# Altium PCB BA-77GHz-Radar_Frontend.PcbDoc (part 1 of 4) (continued)
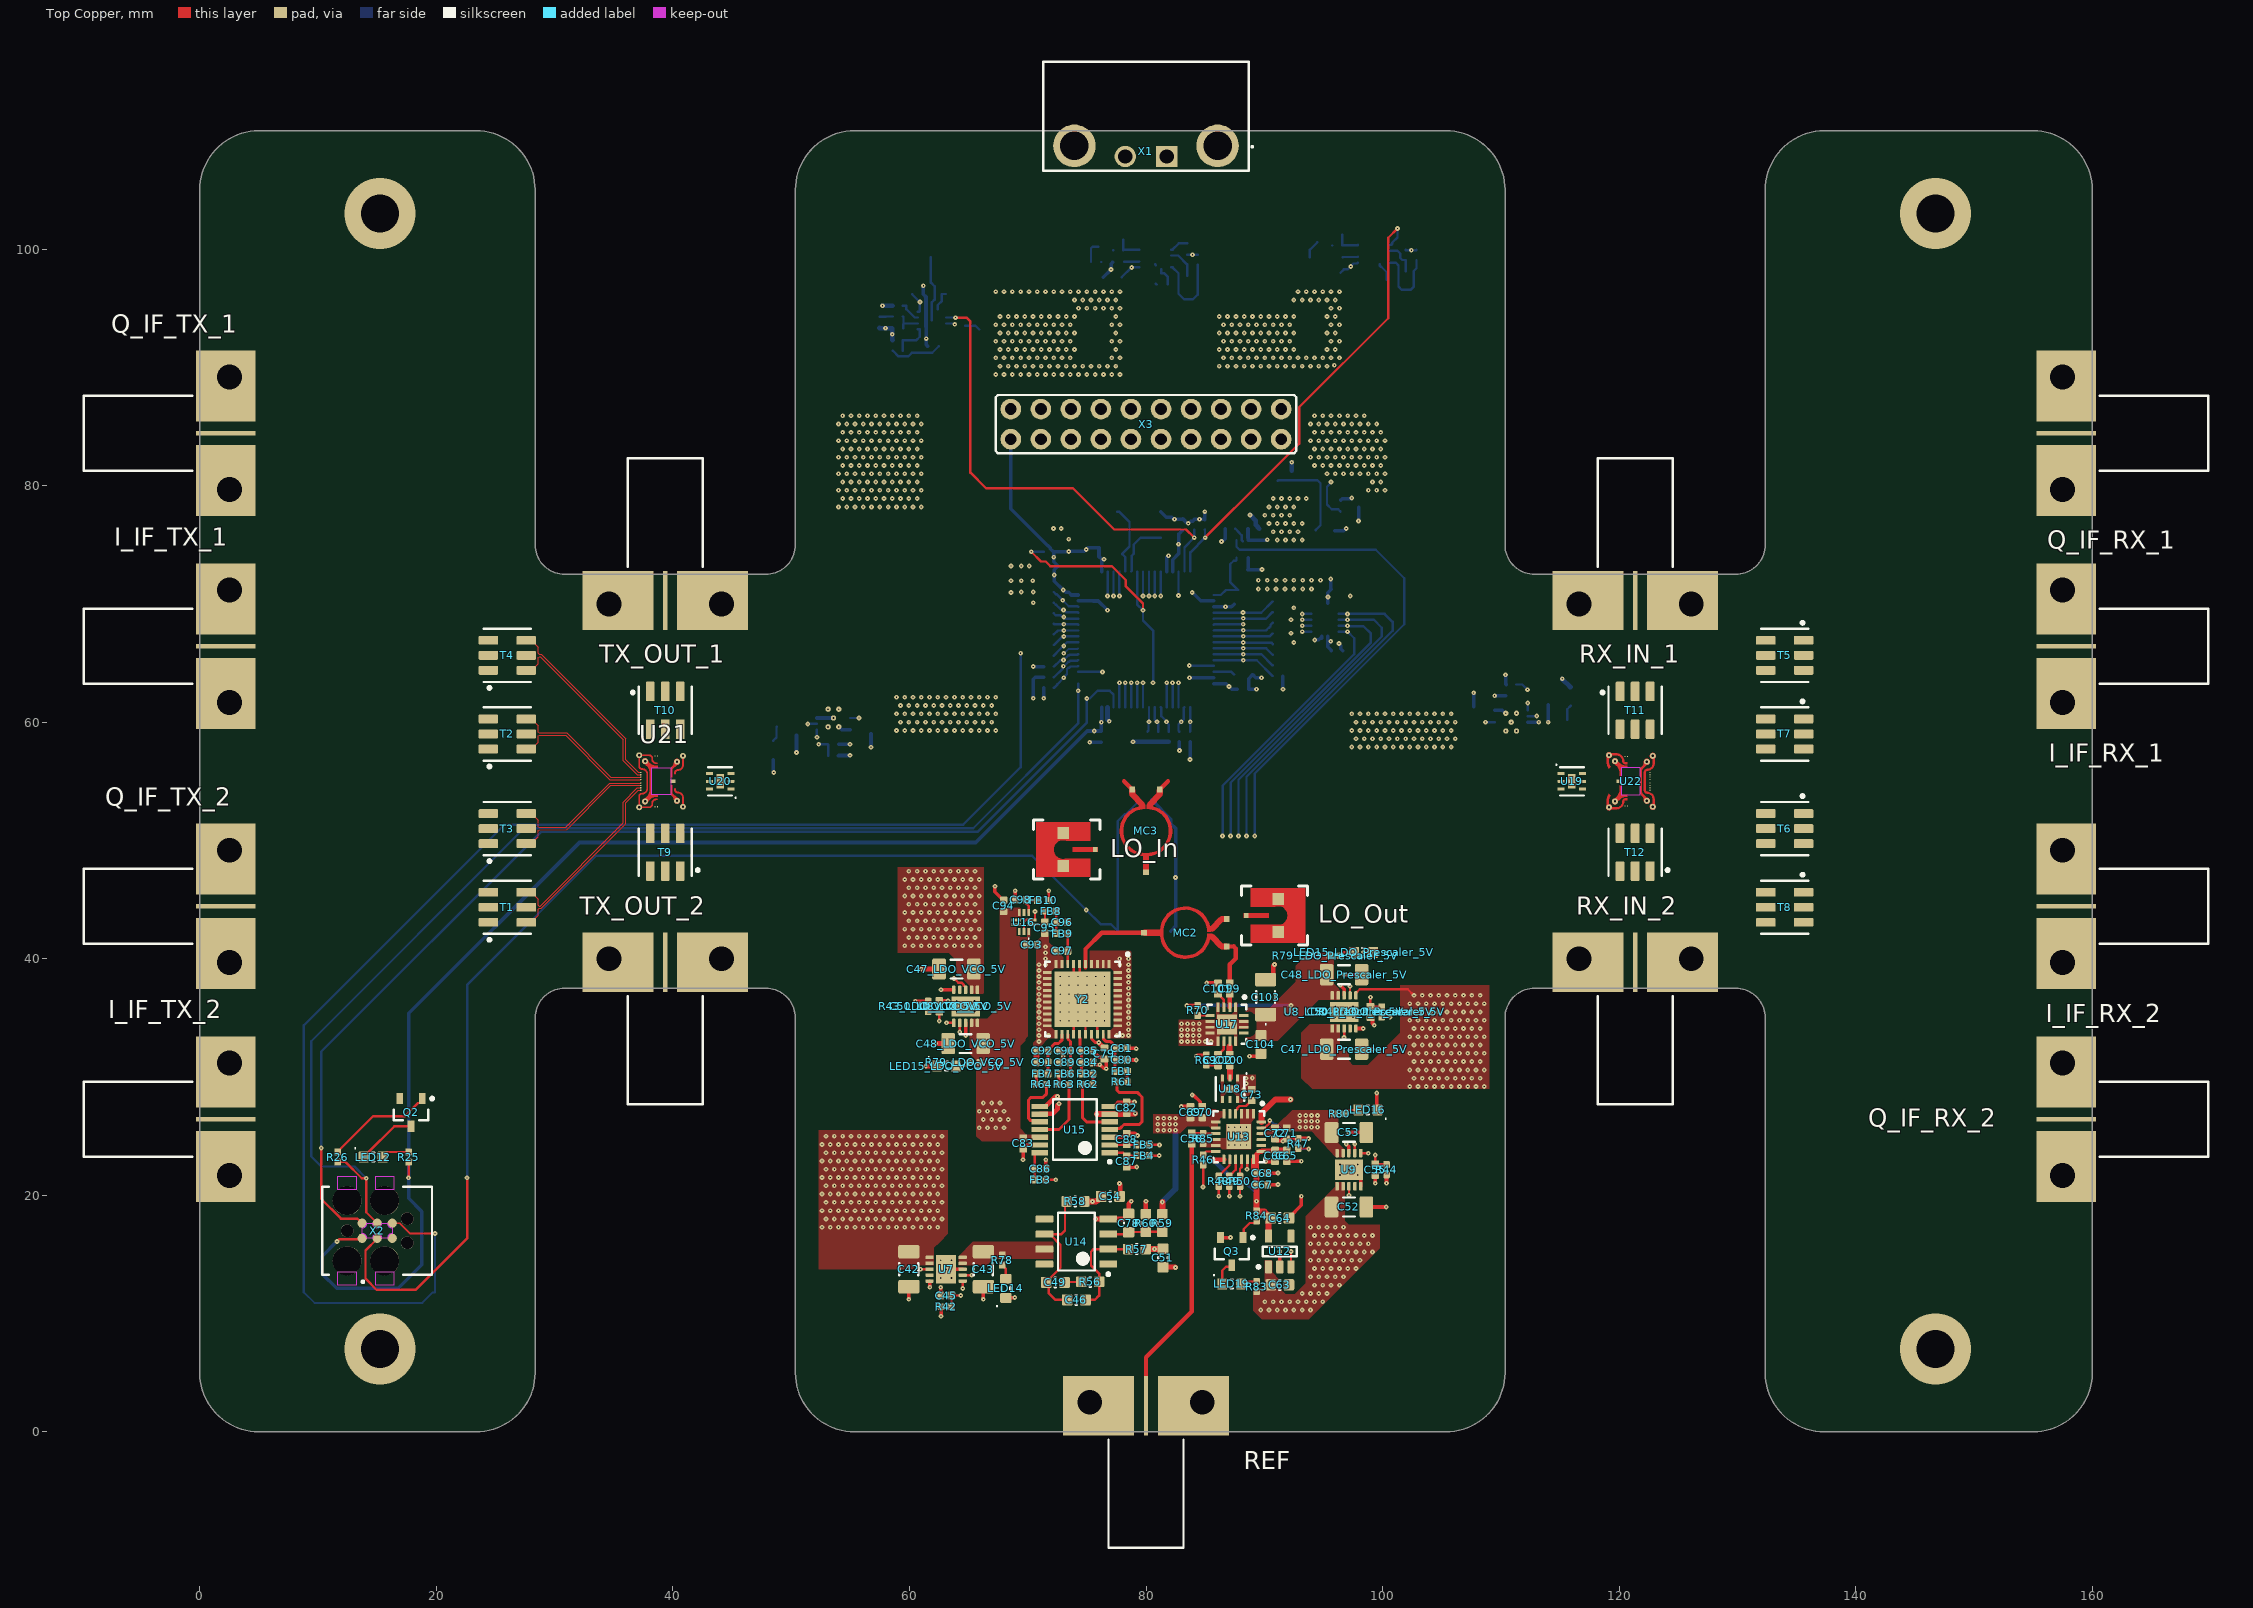
[diagram p0: Top Copper view]
## Components (designator, comment, footprint, x,y, rotation, side; value= is the part's Value field where it differs from the comment) (continued)
C60_LDO_TX_3V3 "470n" C_0402_1005Metric_IPC_N 53.575,58.125 r180 bottom (schematic designator C60)
C61 "1u" C_0603_1608Metric_IPC_N 97.975,78.95 r90 bottom
C62 "1u" C_0603_1608Metric_IPC_N 92.325,80.475 r270 bottom
C63 "100n" C_0603_1608Metric_IPC_N 91.31,12.425 r180 top
C64 "1u" C_0603_1608Metric_IPC_N 91.31,18.075 r180 top
C65 "100n" C_0402_1005Metric_IPC_N 91.91,23.33 r90 top
C66 "10p" C_0402_1005Metric_IPC_N 90.91,23.33 r90 top
C67 "100n" C_0402_1005Metric_IPC_N 89.81,20.88 r180 top
C68 "10p" C_0402_1005Metric_IPC_N 89.81,21.88 r180 top
C69 "100n" C_0402_1005Metric_IPC_N 83.76,27.028 r270 top
C70 "10p" C_0402_1005Metric_IPC_N 84.76,27.032 r270 top
C71 "100n" C_0402_1005Metric_IPC_N 91.91,25.223 r90 top
C72 "10p" C_0402_1005Metric_IPC_N 90.91,25.223 r90 top
C73 "100p" C_0402_1005Metric_IPC_N 88.935,28.48 r270 top
C78 "1u" C_0603_1608Metric_IPC_N 78.535,17.653 r270 top
C79 "100p" C_0402_1005Metric_IPC_N 76.485,31.981 r90 top
C80 "15n" C_0402_1005Metric_IPC_N 77.935,31.436 r180 top
C81 "15n" C_0402_1005Metric_IPC_N 77.935,32.436 r180 top
C82 "0u47" C_0402_1005Metric_IPC_N 78.36,27.406 r270 top
C83 "0u47" C_0402_1005Metric_IPC_N 69.61,24.378 r90 top
C84 "15n" C_0402_1005Metric_IPC_N 75.025,31.23 r180 top
C85 "15n" C_0402_1005Metric_IPC_N 75.025,32.23 r180 top
C86 "1n" C_0402_1005Metric_IPC_N 71.06,22.253 r180 top
C87 "1n" C_0402_1005Metric_IPC_N 78.36,22.856 r90 top
C88 "1n" C_0402_1005Metric_IPC_N 78.36,24.756 r270 top
C89 "15n" C_0402_1005Metric_IPC_N 73.132,31.23 r0 top
C90 "15n" C_0402_1005Metric_IPC_N 73.132,32.23 r0 top
C91 "15n" C_0402_1005Metric_IPC_N 71.232,31.23 r0 top
C92 "15n" C_0402_1005Metric_IPC_N 71.232,32.23 r0 top
C93 "0u47" C_0402_1005Metric_IPC_N 70.36,41.191 r180 top
C94 "0u47" C_0402_1005Metric_IPC_N 67.96,44.466 r270 top
C95 "100n" C_0402_1005Metric_IPC_N 71.45,42.625 r90 top
C96 "100n" C_0402_1005Metric_IPC_N 72.9,43.075 r180 top
C97 "100n" C_0402_1005Metric_IPC_N 72.91,40.653 r0 top
C98 "2u2" C_0402_1005Metric_IPC_N 69.41,44.978 r0 top
C99 "100n" C_0402_1005Metric_IPC_N 87.085,37.478 r90 top
C100 "100n" C_0402_1005Metric_IPC_N 87.085,31.428 r270 top
C101 "100n" C_0402_1005Metric_IPC_N 86.085,37.478 r90 top
C102 "100n" C_0402_1005Metric_IPC_N 86.089,31.428 r270 top
C103 "2u2" C_1206_3216Metric_Pol_IPC_N 90.111,36.753 r90 top
C104 "1n" C_0603_1608Metric_IPC_N 89.719,32.753 r90 top
FB1 "220Ω" L_0402_1005Metric_IPC_N 77.935,30.481 r180 top
FB2 "220Ω" L_0402_1005Metric_IPC_N 75.025,30.275 r180 top
FB3 "220Ω" L_0402_1005Metric_IPC_N 71.06,21.303 r180 top
FB4 "220Ω" L_0402_1005Metric_IPC_N 79.81,23.356 r180 top
FB5 "220Ω" L_0402_1005Metric_IPC_N 79.81,24.256 r180 top
FB6 "220Ω" L_0402_1005Metric_IPC_N 73.125,30.275 r0 top
FB7 "220Ω" L_0402_1005Metric_IPC_N 71.225,30.275 r0 top
FB8 "220Ω" L_0402_1005Metric_IPC_N 71.95,44.025 r0 top
FB9 "220Ω" L_0402_1005Metric_IPC_N 72.9,42.125 r0 top
FB10 "220Ω" L_0402_1005Metric_IPC_N 71.31,44.928 r180 top
I_IF_RX_1 "60312862112552" 60312862112552 157.5,66.425 r90 top
I_IF_RX_2 "60312862112552" 60312862112552 157.5,44.425 r90 top
I_IF_TX_1 "60312862112552" 60312862112552 2.5,66.425 r270 top
I_IF_TX_2 "60312862112552" 60312862112552 2.5,26.425 r270 top
L1 "4.7u" L_1616_4040Metric_IPC_N 63,99.3 r0 bottom
L2 "2.2u" AVX_LMLP07A7 78.275,92.7 r180 bottom
L3 "2.2u" AVX_LMLP07A7 96.775,93.1 r180 bottom
LED4 "Green" LED_0603_1806Metric_IPC_N 65.9,94 r90 bottom
LED6 "Green" LED_0603_1806Metric_IPC_N 75.175,100.2 r180 bottom
LED8 "Green" LED_0603_1806Metric_IPC_N 93.675,100.6 r180 bottom
LED12 "Orange" LED_0603_1806Metric_IPC_N 14.655,23.234 r180 top locked
LED14 "Green" LED_0603_1806Metric_IPC_N 68.15,12.123 r270 top
LED15_LDO_Prescaler_5V "Green" LED_0603_1806Metric_IPC_N 98.397,40.535 r0 top (schematic designator LED15)
LED15_LDO_VCO_5V "Green" LED_0603_1806Metric_IPC_N 63.125,30.925 r180 top (schematic designator LED15)
LED16 "Green" LED_0603_1806Metric_IPC_N 98.759,27.218 r0 top
LED17_LDO_RX_3V3 "Green" LED_0603_1806Metric_IPC_N 115.9,62.175 r90 bottom (schematic designator LED17)
LED17_LDO_TX_3V3 "Green" LED_0603_1806Metric_IPC_N 48.475,57.625 r270 bottom (schematic designator LED17)
LED18 "Green" LED_0603_1806Metric_IPC_N 95.15,76.2 r0 bottom
LED19 "Green" LED_0603_1806Metric_IPC_N 87.25,12.5 r180 top
LO_In "19S102-40ML5" Rosenberger_19S102-40ML5 73,49.225 r270 top (schematic designator LO_IN)
LO_Out "19S102-40ML5" Rosenberger_19S102-40ML5 91.175,43.65 r90 top (schematic designator LO_OUT)
MC2 "Wilkinson" Wilkinson_8GHz_RO4350B_254um 85.375,42.2 r270 top net-tie
MC3 "Wilkinson" Wilkinson_8GHz_RO4350B_254um 80,52.85 r0 top net-tie
Q2 "BC847B" SOT-23-3 17.861,27 r270 top
Q3 "BC847B" SOT-23-3 87.25,15.25 r270 top
Q_IF_RX_1 "60312862112552" 60312862112552 157.5,84.425 r90 top
Q_IF_RX_2 "60312862112552" 60312862112552 157.5,26.425 r90 top
Q_IF_TX_1 "60312862112552" 60312862112552 2.5,84.425 r270 top
Q_IF_TX_2 "60312862112552" 60312862112552 2.5,44.425 r270 top
R1 "390R" R_0402_1005Metric_IPC_N 91.15,68.4 r180 bottom
R2 "390R" R_0402_1005Metric_IPC_N 91.15,69.3 r180 bottom
R3 "390R" R_0402_1005Metric_IPC_N 91.15,70.2 r180 bottom
R4 "390R" R_0402_1005Metric_IPC_N 88.225,71.175 r180 bottom
R5 "10k" R_0402_1005Metric_IPC_N 71.775,63.8 r0 bottom
R6 "10k" R_0402_1005Metric_IPC_N 81.025,58.775 r90 bottom
R7 "10k" R_0402_1005Metric_IPC_N 80.125,58.775 r90 bottom
R8 "10k" R_0402_1005Metric_IPC_N 71.775,62.9 r0 bottom
R9 "10k" R_0402_1005Metric_IPC_N 81.925,58.775 r90 bottom
R10 "10k" R_0402_1005Metric_IPC_N 91.15,63.9 r180 bottom
R11 "10k" R_0402_1005Metric_IPC_N 71.775,66.5 r0 bottom
R12 "6k8" R_0402_1005Metric_IPC_N 64.7,93.1 r90 bottom
R13 "10k" R_0402_1005Metric_IPC_N 82.825,58.775 r90 bottom
R14 "1k" R_0402_1005Metric_IPC_N 75.775,98.9 r180 bottom
R15 "10k" R_0402_1005Metric_IPC_N 83.725,58.775 r90 bottom
R16 "2k2" R_0402_1005Metric_IPC_N 94.275,99.3 r180 bottom
R17 "10k" R_0402_1005Metric_IPC_N 71.775,65.6 r0 bottom
R18 "10k" R_0402_1005Metric_IPC_N 71.775,64.7 r0 bottom
R19 "10k" R_0402_1005Metric_IPC_N 84.975,76.7 r270 bottom
R20 "10k" R_0402_1005Metric_IPC_N 84.075,76.7 r270 bottom
R21 "10k" R_0402_1005Metric_IPC_N 71.775,68.3 r0 bottom
R22 "10k" R_0402_1005Metric_IPC_N 71.775,67.4 r0 bottom
R23 "10k" R_0402_1005Metric_IPC_N 87.112,76.35 r0 bottom
R24 "10k" R_0402_1005Metric_IPC_N 71.775,69.201 r180 bottom
R25 "1k5" R_0402_1005Metric_IPC_N 17.655,23.234 r270 top locked
R26 "680k" R_0402_1005Metric_IPC_N 11.655,23.234 r90 top locked
R27 "1M5" R_0402_1005Metric_IPC_N 59,91.4 r180 bottom
R28 "100k" R_0402_1005Metric_IPC_N 59,92.3 r0 bottom
R29 "57k6" R_0402_1005Metric_IPC_N 59,95.2 r0 bottom
R30 "80k6" R_0402_1005Metric_IPC_N 59,94.3 r0 bottom
R31 "100k" R_0402_1005Metric_IPC_N 83.475,100.9 r270 bottom
R32 "0R" R_0402_1005Metric_IPC_N 83.475,99.1 r90 bottom
R33 "169k" R_0402_1005Metric_IPC_N 77.675,99.9 r180 bottom
R34 "30.1k" R_0402_1005Metric_IPC_N 77.675,100.8 r0 bottom
R35 "DNI" R_0402_1005Metric_IPC_N 83.475,97.3 r90 bottom
R36 "100k" R_0402_1005Metric_IPC_N 84.375,99.1 r90 bottom
R37 "0R" R_0402_1005Metric_IPC_N 101.975,99.5 r90 bottom
R38 "271k" R_0402_1005Metric_IPC_N 96.175,100.3 r180 bottom
R39 "30.1k" R_0402_1005Metric_IPC_N 96.175,101.2 r0 bottom
R40 "DNI" R_0402_1005Metric_IPC_N 101.975,97.7 r90 bottom
R41 "100k" R_0402_1005Metric_IPC_N 102.875,99.5 r90 bottom
R42 "150k" R_0402_1005Metric_IPC_N 63.1,10.573 r0 top
R43_LDO_Prescaler_5V "49k9" R_0402_1005Metric_IPC_N 99.925,35.5 r90 top (schematic designator R43)
R43_LDO_VCO_5V "49k9" R_0402_1005Metric_IPC_N 61.575,35.975 r270 top (schematic designator R43)
R44 "33k2" R_0402_1005Metric_IPC_N 100.334,22.159 r90 top
R45_LDO_RX_3V3 "33k2" R_0402_1005Metric_IPC_N 110.875,63.183 r0 bottom (schematic designator R45)
R45_LDO_TX_3V3 "33k2" R_0402_1005Metric_IPC_N 53.575,57.167 r180 bottom (schematic designator R45)
R46 "330" R_0402_1005Metric_IPC_N 84.825,22.989 r90 top
R47 "5k1" R_0402_1005Metric_IPC_N 92.86,24.373 r270 top
R48 "330" R_0402_1005Metric_IPC_N 86.15,21.183 r90 top
R49 "330" R_0402_1005Metric_IPC_N 87.05,21.183 r90 top
R50 "330" R_0402_1005Metric_IPC_N 87.948,21.183 r90 top
R51 "10k" R_0402_1005Metric_IPC_N 71.775,70.101 r0 bottom
R52 "10k" R_0402_1005Metric_IPC_N 71.775,71 r0 bottom
R53 "10k" R_0402_1005Metric_IPC_N 91.15,65.7 r180 bottom
R54 "10k" R_0402_1005Metric_IPC_N 91.15,64.8 r180 bottom
R55 "10k" R_0402_1005Metric_IPC_N 91.15,66.6 r180 bottom
R56 "R390" R_0603_1608Metric_IPC_N 75.285,12.678 r0 top
R57 "R220" R_0603_1608Metric_IPC_N 79.235,15.448 r0 top
R58 "R240" R_0603_1608Metric_IPC_N 74.035,19.478 r180 top
R59 "47k" R_0603_1608Metric_IPC_N 81.385,17.653 r90 top
R60 "47k" R_0603_1608Metric_IPC_N 79.985,17.653 r270 top
R61 "3R3" R_0402_1005Metric_IPC_N 77.985,29.581 r0 top
R62 "3R3" R_0402_1005Metric_IPC_N 75.075,29.375 r0 top
R63 "3R3" R_0402_1005Metric_IPC_N 73.075,29.375 r180 top
R64 "3R3" R_0402_1005Metric_IPC_N 71.175,29.375 r180 top
R65 "10k" R_0402_1005Metric_IPC_N 91.15,67.5 r180 bottom
R66 "10k" R_0402_1005Metric_IPC_N 71.775,74.4 r0 bottom
R69 "50" R_0402_1005Metric_IPC_N 85.114,31.428 r270 top
R70 "10k" R_0402_1005Metric_IPC_N 84.36,35.628 r270 top
R78 "6k8" R_0402_1005Metric_IPC_N 67.85,14.523 r270 top
R79_LDO_Prescaler_5V "1k5" R_0402_1005Metric_IPC_N 96,40.24 r0 top (schematic designator R79)
R79_LDO_VCO_5V "1k5" R_0402_1005Metric_IPC_N 65.525,31.225 r180 top (schematic designator R79)
R80 "680R" R_0402_1005Metric_IPC_N 96.361,26.909 r0 top
R81_LDO_RX_3V3 "680R" R_0402_1005Metric_IPC_N 115.6,59.775 r90 bottom (schematic designator R81)
R81_LDO_TX_3V3 "680R" R_0402_1005Metric_IPC_N 48.775,60.025 r270 bottom (schematic designator R81)
R82 "680R" R_0402_1005Metric_IPC_N 91.125,79.975 r90 bottom
R83 "2k7" R_0402_1005Metric_IPC_N 89.35,12.275 r270 top
R84 "68k" R_0402_1005Metric_IPC_N 89.35,18.25 r270 top
R85 "50" R_0402_1005Metric_IPC_N 84.825,24.798 r90 top
REF "60312862112552" 60312862112552 80,2.5 r0 top
RX_IN_1 "60312862112552" 60312862112552 121.354,70 r180 top
RX_IN_2 "60312862112552" 60312862112552 121.354,40 r0 top
T1 "TCM1-63AX+" DB1627 26,44.35 r90 top
T2 "TCM1-63AX+" DB1627 26,59 r90 top
T3 "TCM1-63AX+" DB1627 26,51 r90 top
T4 "TCM1-63AX+" DB1627 26,65.65 r90 top
T5 "TCM1-63AX+" DB1627 134,65.65 r270 top
T6 "TCM1-63AX+" DB1627 134,51 r270 top
T7 "TCM1-63AX+" DB1627 134,59 r270 top
T8 "TCM1-63AX+" DB1627 134,44.35 r270 top
T9 "TCM1-63AX+" DB1627 39.354,49 r180 top
T10 "TCM1-63AX+" DB1627 39.354,61 r0 top
T11 "TCM1-63AX+" DB1627 121.354,61 r0 top
T12 "TCM1-63AX+" DB1627 121.354,49 r180 top
TX_OUT_1 "60312862112552" 60312862112552 39.354,70 r180 top
TX_OUT_2 "60312862112552" 60312862112552 39.354,40 r0 top
U1 "STM32F411RCT6" QFP50P1200X1200X160-64N 80,67 r270 bottom
U2 "TXU0304BQAR" WQFN-14-1EP_2.5x3mm_P0.5mm_EP1.0x1.5mm_IPC_N 95.125,68.651 r0 bottom
U3 "SN74LVC1T45DRLRG4" SOTFL50P160X60-6N 88.15,74.625 r90 bottom
U4 "TPS61377RYHR" VQFN13_2_5x2 61.9,94 r180 bottom
U5 "AP62500" V-QFN2030-12-Type-A_3.05x2.05mm_P0.5mm 80.775,99.2 r270 bottom
U6 "AP62500" V-QFN2030-12-Type-A_3.05x2.05mm_P0.5mm 99.275,99.6 r270 bottom
U7 "LT3042EDD#PBF" DFN10_3x3 63.1,13.748 r270 top
U8_LDO_Prescaler_5V "LT3042EDD#PBF" DFN10_3x3 96.75,35.5 r0 top (schematic designator U8)
U8_LDO_VCO_5V "LT3042EDD#PBF" DFN10_3x3 64.75,35.975 r180 top (schematic designator U8)
U9 "LT3042EDD#PBF" DFN10_3x3 97.159,22.159 r0 top
U10_LDO_RX_3V3 "LT3045EDD#PBF" DFN10_3x3 110.875,60 r90 bottom (schematic designator U10)
U10_LDO_TX_3V3 "LT3045EDD#PBF" DFN10_3x3 53.575,60.35 r270 bottom (schematic designator U10)
U11 "TLV75533PDBVR" SOT-23-5 95.15,78.75 r180 bottom
U12 "XC6204B182MR-G" SOT-23-5 91.31,15.25 r90 top
U13 "ADF4169CCPZ" LFCSP-WQ-24-1EP_4x4mm_P0.5mm_EP2.1x2.1mm_IPC_N 87.835,24.955 r270 top
U14 "AD8065ARZ" SOIC-8_3.9x4.9mm_P1.27mm_IPC_N 74.11,16.083 r180 top
U15 "ADG1604BRUZ-REEL7" TSSOP65P640X120-14N 73.985,25.556 r180 top
U16 "ADG854BCPZ" LFCSP_UQ-10-1EP_1.3x1.6mm_P0.4mm_IPC_N 69.685,43.091 r180 top
U17 "HMC862ALP3E" LFCSP-16-1EP_3x3mm_P0.5mm_EP1.7x1.7mm_IPC_N 86.835,34.453 r270 top
U18 "KAT-3+" MC1630-1 87.1,29 r180 top
U19 "KAT-20+" MC1630-1 116,55 r270 top
U20 "KAT-20+" MC1630-1 44,55 r90 top
U21 "RUVETX1_LO_20GHz" RUVETX1_LO_20GHz 39,55 r90 top
U22 "RUVERX1_LO_20GHz" RUVERX1_LO_20GHz 121,55 r270 top
X1 "31843790" 31843790 80,107.825 r180 top
X2 "SWD_TC2030" Tag-Connect_TC2030-IDC-FP_2x03_P1.27mm_Vertical 15,17 r0 top
X3 "gen_pinheader_2.54_2x10" Pinheader_2.54_2x10 80,85.195 r0 top
X4 "Tastschalter" TL3301AF160QG 80,47 r90 bottom
Y1 "ECS-160-8-30B-CKM" XTAL_SMD_5032_4Pin_5x3.2mm 79.4,76.7 r0 bottom
Y2 "HMC8364LP6GE" LFCSP-40-1EP_6x6mm_P0.5mm_EP4.7x4.7mm_IPC_N 74.635,36.581 r270 top

## Footprints (in the part's own frame and the unit in brackets; to place one, negate y for a bottom-side part, rotate by r counter-clockwise, add the part's x,y. Pads: shape width x height; smd on the part's side, far side on the other; paste and mask are expansions set on the pad)
31843790 [mm]
  rect 1.8x1.8 hole 1.2: 1(-1.75,0)
  round 1.8 hole 1.2: 2(1.75,0)
  round 3.6 hole 2.4: MH1(-6.05,-0.9) MH2(6.05,-0.9)
  silkscreen extent -9.03,-8 8.68,1.2, body extent -8.61,-8.03 8.69,1.17, height 7.77
60312862112552 [mm]
  rect 0.38x5 smd paste-2539.97 mask+0: 1(0,-0.3)
  round 3 hole 2.1: 2(-4.75,0) 3(4.75,0)
  rect 6x5 smd paste-2539.97: 2(-4,-0.3) 3(4,-0.3)
  rect 14x5 smd far side paste-2539.97 mask+0.5: 4(0,-0.3)
  silkscreen extent -3.17,-12.3 3.18,-3.15, body extent -7,-12.3 7,2.2, height 4.77
AVX_LMLP07A7 [mm] "Precision Wire Wound Inductor, 2-Leads, Body 7,30x6,60mm, IPC Medium Density"
  rect 1.85x3.7 smd: 1(-2.775,0) 2(2.775,0)
  silkscreen extent -3.65,-3.3 3.65,3.3, body extent -3.65,-3.3 3.65,3.3, height 3
C_0402_1005Metric_IPC_N [mm] "Chip Capacitor, 2-Leads, Body 1,00x0,50mm, IPC Medium Density"
  rrect25% 0.6x0.65 smd: 1(-0.475,0) 2(0.475,0)
  body extent -0.5,-0.25 0.5,0.25, height 0.5
C_0603_1608Metric_IPC_N [mm] "Chip Capacitor, 2-Leads, Body 1,60x0,80mm, IPC Medium Density"
  rrect25% 0.9x0.95 smd: 1(-0.775,0) 2(0.775,0)
  silkscreen extent -0.05,-0.4 0.05,0.4, body extent -0.8,-0.4 0.8,0.4, height 0.8
C_1206_3216Metric_IPC_N [mm] "Chip Capacitor, 2-Leads, Body 3,20x1,60mm, IPC Medium Density"
  rrect25% 1.15x1.8 smd: 1(-1.475,0) 2(1.475,0)
  silkscreen extent -0.5,-0.8 0.5,0.8, body extent -1.6,-0.8 1.6,0.8, height 1.2
C_1206_3216Metric_Pol_IPC_N [mm] "Chip Capacitor, 2-Leads, Body 3,20x1,60mm, IPC Medium Density with Pol"
  rrect25% 1.15x1.8 smd: 1(-1.475,0) 2(1.475,0)
  silkscreen extent -2.35,-0.8 0.5,0.8, body extent -1.7,-0.9 1.7,0.9, height 1.82
DB1627 [mm]
  rrect25% 0.75x1.65 smd: 1(-1.27,1.6) 2(0,1.6) 3(1.27,1.6) 4(1.27,-1.6) 5(0,-1.6) 6(-1.27,-1.6)
  silkscreen extent -2.87,-2 2.25,2, body extent -1.9,-2.03 1.91,2.03, height 4.06
DFN10_3x3 [mm]
  rrect50% 0.3x0.7 smd mask+0.03: 1(-1,-1.4) 2(-0.5,-1.4) 3(0,-1.4) 4(0.5,-1.4) 5(1,-1.4) 6(1,1.4) 7(0.5,1.4) 8(0,1.4) 9(-0.5,1.4) 10(-1,1.4)
  round 0.45 hole 0.15: 11(-0.75,0.45) 11(-0.75,-0.45) 11(0,0) 11(0.75,0.45) 11(0.75,-0.45)
  rect 2.4x1.7 smd mask+0.03: 11(0,0)
  body extent -1.55,-1.57 1.55,1.55, height 0.85
L_0402_1005Metric_IPC_N [mm] "Chip Inductor, 2-Leads, Body 1,00x0,50mm, IPC Medium Density"
  rrect25% 0.65x0.6 smd: 1(-0.475,0) 2(0.475,0)
  body extent -0.5,-0.25 0.5,0.25, height 0.5
L_1616_4040Metric_IPC_N [mm] "Chip Inductor, 2-Leads, Body 4,50x1,60mm, IPC Medium Density"
  rect 0.98x3.4 smd: 1(-1.185,0) 2(1.185,0)
  silkscreen extent -2,-2 2,2, body extent -2,-2 2,2, height 2.1
LED_0603_1806Metric_IPC_N [mm] "LED, 2-Leads, Body 1,60x0,80mm, IPC Medium Density"
  rrect25% 0.85x0.95 smd: 1(-0.8,0) 2(0.8,0)
  silkscreen extent -0.1,-0.8 1.55,0.37, body extent -0.8,-0.4 0.8,0.4, height 1.1
LFCSP-16-1EP_3x3mm_P0.5mm_EP1.7x1.7mm_IPC_N [mm] "LFCSP 16-Leads, Body 3,00x3,00mm, Pitch 0,50mm, Thermal Pad 1,60x1,60mm, IPC Medium Density"
  rrect25% 0.8x0.25 smd: 1(-1.425,0.75) 2(-1.425,0.25) 3(-1.425,-0.25) 4(-1.425,-0.75) 9(1.425,-0.75) 10(1.425,-0.25) 11(1.425,0.25) 12(1.425,0.75)
  rrect25% 0.25x0.8 smd: 5(-0.75,-1.425) 6(-0.25,-1.425) 7(0.25,-1.425) 8(0.75,-1.425) 13(0.75,1.425) 14(0.25,1.425) 15(-0.25,1.425) 16(-0.75,1.425)
  rect 1.7x1.7 smd: 17(0,0)
  silkscreen extent -2.42,-1.65 1.65,1.65, body extent -1.52,-1.52 1.52,1.52, height 0.8
LFCSP-40-1EP_6x6mm_P0.5mm_EP4.7x4.7mm_IPC_N [mm] "LFCSP, 40-Leads, Body 6,00x6,00mm, Pitch 0,50mm, Thermal Pad 4,70x4,70mm, IPC Medium Density"
  rect 0.7x0.25 smd: 1(-2.975,2.25) 2(-2.975,1.75) 3(-2.975,1.25) 4(-2.975,0.75) 5(-2.975,0.25) 6(-2.975,-0.25) 7(-2.975,-0.75) 8(-2.975,-1.25) 9(-2.975,-1.75) 10(-2.975,-2.25) 21(2.975,-2.25) 22(2.975,-1.75) 23(2.975,-1.25) 24(2.975,-0.75) 25(2.975,-0.25) 26(2.975,0.25) 27(2.975,0.75) 28(2.975,1.25) 29(2.975,1.75) 30(2.975,2.25)
  rect 0.25x0.7 smd: 11(-2.25,-2.975) 12(-1.75,-2.975) 13(-1.25,-2.975) 14(-0.75,-2.975) 15(-0.25,-2.975) 16(0.25,-2.975) 17(0.75,-2.975) 18(1.25,-2.975) 19(1.75,-2.975) 20(2.25,-2.975) 31(2.25,2.975) 32(1.75,2.975) 33(1.25,2.975) 34(0.75,2.975) 35(0.25,2.975) 36(-0.25,2.975) 37(-0.75,2.975) 38(-1.25,2.975) 39(-1.75,2.975) 40(-2.25,2.975)
  rect 4.7x4.7 smd: 41(0,0)
  silkscreen extent -3.92,-3.15 3.15,3.95, body extent -3,-3 3,3, height 0.85
LFCSP-WQ-24-1EP_4x4mm_P0.5mm_EP2.1x2.1mm_IPC_N [mm] "LFCSP-WQ, 24-Leads, Body 4,00x4,00mm, Pitch 0,50mm, Thermal Pad 2,10x2,10mm, IPC Medium Density"
  rrect25% 0.8x0.25 smd: 1(-1.925,1.25) 2(-1.925,0.75) 3(-1.925,0.25) 4(-1.925,-0.25) 5(-1.925,-0.75) 6(-1.925,-1.25) 13(1.925,-1.25) 14(1.925,-0.75) 15(1.925,-0.25) 16(1.925,0.25) 17(1.925,0.75) 18(1.925,1.25)
  rrect25% 0.25x0.8 smd: 7(-1.25,-1.925) 8(-0.75,-1.925) 9(-0.25,-1.925) 10(0.25,-1.925) 11(0.75,-1.925) 12(1.25,-1.925) 19(1.25,1.925) 20(0.75,1.925) 21(0.25,1.925) 22(-0.25,1.925) 23(-0.75,1.925) 24(-1.25,1.925)
  rect 2.1x2.1 smd: 25(0,0)
  silkscreen extent -2.92,-2.15 2.15,2.15, body extent -2.02,-2.02 2.02,2.02, height 0.8
LFCSP_UQ-10-1EP_1.3x1.6mm_P0.4mm_IPC_N [mm] "LFCSP_UQ, 10-Leads, Body 1,30x1,60mm, Pitch 0,40mm, IPC Medium Density"
  rect 0.25x0.6 smd: 1(-0.4,0.8) 4(-0.4,-0.8) 5(0,-0.8) 6(0.4,-0.8) 9(0.4,0.8) 10(0,0.8)
  rect 0.8x0.25 smd: 2(-0.65,0.2) 3(-0.65,-0.2) 7(0.65,-0.2) 8(0.65,0.2)
  silkscreen extent -0.45,1.35 -0.35,1.45, body extent -0.7,-0.85 0.7,0.85, height 0.6
MC1630-1 [mm]
  rrect25% 0.25x0.6 smd: 1(-0.65,-0.9) 2(0,-0.9) 3(0.65,-0.9) 4(0.65,0.9) 5(0,0.9) 6(-0.65,0.9)
  rect 1.2x0.6 smd: 7(0,0)
  silkscreen extent -1.45,-1.35 1.2,1, body extent -1,-1.02 1,1.02, height 1
Pinheader_2.54_2x10 [mm] "Pinheader, 2.54mm, gerade, 2-reihig"
  round 1.75 hole 1: 1(-11.43,-1.27) 2(-11.43,1.27) 3(-8.89,-1.27) 4(-8.89,1.27) 5(-6.35,-1.27) 6(-6.35,1.27) 7(-3.81,-1.27) 8(-3.81,1.27) 9(-1.27,-1.27) 10(-1.27,1.27) 11(1.27,-1.27) 12(1.27,1.27) 13(3.81,-1.27) 14(3.81,1.27) 15(6.35,-1.27) 16(6.35,1.27) 17(8.89,-1.27) 18(8.89,1.27) 19(11.43,-1.27) 20(11.43,1.27)
  silkscreen extent -12.7,-2.47 12.7,2.47, body extent -12.7,-2.54 12.7,2.54, height 8.74
QFP50P1200X1200X160-64N [mm] "LQFP, 64-Leads, Body 12,00x12,00mm, Pitch 0,50mm, IPC Medium Density"
  rect 1.475x0.3 smd mask+0.05: 1(-5.738,3.75) 2(-5.738,3.25) 3(-5.738,2.75) 4(-5.738,2.25) 5(-5.738,1.75) 6(-5.738,1.25) 7(-5.738,0.75) 8(-5.738,0.25) 9(-5.738,-0.25) 10(-5.738,-0.75) 11(-5.738,-1.25) 12(-5.738,-1.75) 13(-5.738,-2.25) 14(-5.738,-2.75) 15(-5.738,-3.25) 16(-5.738,-3.75) 33(5.738,-3.75) 34(5.738,-3.25) 35(5.738,-2.75) 36(5.738,-2.25) 37(5.738,-1.75) 38(5.738,-1.25) 39(5.738,-0.75) 40(5.738,-0.25) 41(5.738,0.25) 42(5.738,0.75) 43(5.738,1.25) 44(5.738,1.75) 45(5.738,2.25) 46(5.738,2.75) 47(5.738,3.25) 48(5.738,3.75)
  rect 0.3x1.475 smd mask+0.05: 17(-3.75,-5.738) 18(-3.25,-5.738) 19(-2.75,-5.738) 20(-2.25,-5.738) 21(-1.75,-5.738) 22(-1.25,-5.738) 23(-0.75,-5.738) 24(-0.25,-5.738) 25(0.25,-5.738) 26(0.75,-5.738) 27(1.25,-5.738) 28(1.75,-5.738) 29(2.25,-5.738) 30(2.75,-5.738) 31(3.25,-5.738) 32(3.75,-5.738) 49(3.75,5.738) 50(3.25,5.738) 51(2.75,5.738) 52(2.25,5.738) 53(1.75,5.738) 54(1.25,5.738) 55(0.75,5.738) 56(0.25,5.738) 57(-0.25,5.738) 58(-0.75,5.738) 59(-1.25,5.738) 60(-1.75,5.738) 61(-2.25,5.738) 62(-2.75,5.738) 63(-3.25,5.738) 64(-3.75,5.738)
  silkscreen extent -6.35,-4.65 4.65,4.65, body extent -6,-6 6,6, height 1.6
R_0402_1005Metric_IPC_N [mm] "Chip Resistor, 2-Leads, Body 1,00x0,50mm, IPC Medium Density"
  rrect25% 0.6x0.55 smd: 1(-0.425,0) 2(0.425,0)
  body extent -0.5,-0.25 0.5,0.25, height 0.4
R_0603_1608Metric_IPC_N [mm] "Chip Resistor, 2-Leads, Body 1,60x0,80mm, IPC Medium Density"
  rrect25% 0.9x0.9 smd: 1(-0.75,0) 2(0.75,0)
  silkscreen extent -0.05,-0.4 0.05,0.4, body extent -0.8,-0.4 0.8,0.4, height 0.45
Rosenberger_19S102-40ML5 [mm] "SMP"
  rect 0.4x0.4 smd mask+0: 1(0,2.7)
  rect 1x1 smd mask+0: 2(-1.4,0) 2(1.4,0)
  Top Copper region: -2.3,-2.3 -2.3,2.3 -0.76,2.3 -0.76,0.25 -0.791,-0.123 -0.648,-0.469 -0.364,-0.713 0,-0.8 0,-0.8 0.364,-0.713 0.648,-0.469 0.79,-0.123 0.76,0.25 0.76,0.25 0.76,2.3 2.3,2.3 2.3,-2.3
  Top Copper region: -0.2,0.8 0.2,0.8 0.2,2.9 -0.2,2.9
  silkscreen extent -2.5,-2.5 2.5,3.1, body extent -2.25,-2.25 2.25,2.85, height 4.44
RUVERX1_LO_20GHz [mm] "RUVERX1 mit 20GHz LO"
  rect 0.325x0.4 smd mask+0: 1(0,-1)
  rect 0.1x0.1 smd mask+0: 2(-0.15,1.616) 3(-0.35,1.616) 4(-0.55,1.616) 5(-0.75,1.616) 6(-2.1,-0.5) 7(-2.1,-0.3) 10(0.15,1.616) 11(0.35,1.616) 12(0.55,1.616) 13(0.75,1.616) 14(2.1,-0.5) 15(2.1,-0.3)
  rect 0.01x0.2 smd: 8(-1.155,0.205) 9(-1.155,0.545) 16(1.155,0.205) 17(1.155,0.544)
  round 0.5 hole 0.2 mask+0: 18(-2.2,-1.85) 18(-2.15,1.85) 18(2.15,1.85) 18(2.2,-1.85) 19(-1.7,-1.35) 19(-1.65,1.35) 19(1.65,1.35) 19(1.7,-1.35)
  rect 0.058x0.075 on Mech2: D1(0,0.608) D1(0,-0.607)
  rect 0.085x0.105 on Mech2: D2(-0.44,-0.592) D3(-0.54,-0.592) D4(-0.74,-0.592) D5(-0.84,-0.592) D10(0.44,-0.592) D11(0.54,-0.592) D12(0.74,-0.592) D13(0.84,-0.592) D18(-0.34,-0.592) D18(0.34,-0.592) D19(-0.64,-0.592) D19(-0.24,-0.592) D19(0.24,-0.592) D19(0.64,-0.592)
  rect 0.085x0.095 on Mech2: D2(-0.28,0.597) D3(-0.38,0.597) D4(-0.58,0.597) D5(-0.68,0.597) D10(0.28,0.597) D11(0.38,0.597) D12(0.58,0.597) D13(0.68,0.597)
  rect 0.105x0.085 on Mech2: D6(-0.937,-0.155) D7(-0.806,0.045) D14(0.937,-0.155) D15(0.806,0.045) D18(-0.937,-0.455) D18(-0.937,-0.355) D18(-0.937,0.045) D18(0.937,-0.455) D18(0.937,-0.355) D18(0.937,0.045) D19(-0.937,-0.255) D19(-0.937,0.145) D19(0.937,-0.255) D19(0.937,0.145)
  rect 0.078x0.058 on Mech2: D8(-0.952,0.3) D9(-0.952,0.45) D16(0.953,0.3) D17(0.953,0.45) D19(-0.952,0.525) D19(-0.952,0.225) D19(-0.952,0.375) D19(0.953,0.525) D19(0.953,0.225) D19(0.953,0.375)
  rect 0.105x0.065 on Mech2: D18(-0.9,0.602) D18(0.9,0.602)
  rect 0.085x0.085 on Mech2: D18(-0.18,0.603) D18(0.18,0.603) D19(-0.947,-0.555) D19(-0.78,0.602) D19(-0.48,0.602) D19(0.48,0.602) D19(0.78,0.602) D19(0.947,-0.555)
  rect 0.078x0.075 on Mech2: D19(-0.085,0.608) D19(-0.085,-0.607) D19(0.085,0.608) D19(0.085,-0.607)
  rect 0.325x0.4 on Mech2: L1(0,-1)
  rect 0.1x0.1 on Mech2: L2(-0.15,1.616) L3(-0.35,1.616) L4(-0.55,1.616) L5(-0.75,1.616) L6(-2.1,-0.5) L7(-2.1,-0.3) L10(0.15,1.616) L11(0.35,1.616) L12(0.55,1.616) L13(0.75,1.616) L14(2.1,-0.5) L15(2.1,-0.3) L18(-1.528,-0.388) L19(-0.449,-0.873)
  rect 0.01x0.2 on Mech2: L8(-1.155,0.205) L9(-1.155,0.545) L16(1.155,0.205) L17(1.155,0.544)
  Top Copper region: -1.65,1.6 -1.746,1.581 -1.827,1.527 -1.881,1.446 -1.9,1.35 -1.9,1.35 -1.881,1.254 -1.827,1.173 -1.746,1.119 -1.65,1.1 -1.65,1.1 -1.419,1.054 -1.223,0.923 -1.223,0.923 -1.1,0.8 0,0.8 0,0.925 -0.925,0.925 -0.971,0.934 -1.01,0.96 -1.01,0.96 -1.4,1.35 -1.419,1.446 -1.473,1.527 -1.554,1.581 -1.65,1.6
  Top Copper region: -1.7,-1.1 -1.796,-1.119 -1.877,-1.173 -1.931,-1.254 -1.95,-1.35 -1.95,-1.35 -1.931,-1.446 -1.877,-1.527 -1.796,-1.581 -1.7,-1.6 -1.7,-1.6 -1.604,-1.581 -1.523,-1.527 -1.469,-1.446 -1.45,-1.35 -1.45,-1.35 -1.333,-1.233 -1.02,-1.024 -0.65,-0.95 -0.65,-0.95 -0.35,-0.95 -0.35,-0.8 -1.15,-0.8 -1.15,-0.3 -1.3,-0.3 -1.374,-0.67 -1.583,-0.983 -1.583,-0.983
  Top Copper region: 1.65,1.6 1.746,1.581 1.827,1.527 1.881,1.446 1.9,1.35 1.9,1.35 1.881,1.254 1.827,1.173 1.746,1.119 1.65,1.1 1.65,1.1 1.419,1.054 1.223,0.923 1.223,0.923 1.1,0.8 0,0.8 0,0.925 0.925,0.925 0.971,0.934 1.01,0.96 1.01,0.96 1.4,1.35 1.419,1.446 1.473,1.527 1.554,1.581 1.65,1.6
  Top Copper region: 1.7,-1.1 1.796,-1.119 1.877,-1.173 1.931,-1.254 1.95,-1.35 1.95,-1.35 1.931,-1.446 1.877,-1.527 1.796,-1.581 1.7,-1.6 1.7,-1.6 1.604,-1.581 1.523,-1.527 1.469,-1.446 1.45,-1.35 1.45,-1.35 1.333,-1.233 1.02,-1.024 0.65,-0.95 0.65,-0.95 0.35,-0.95 0.35,-0.8 1.15,-0.8 1.15,-0.3 1.3,-0.3 1.374,-0.67 1.583,-0.983 1.583,-0.983
  Top Copper region: 1.095,1.845 1.261,1.956 1.457,1.995 1.457,1.995 1.878,1.995 1.931,2.005 1.975,2.035 1.975,2.035 2.047,2.083 2.132,2.1 2.132,2.1 2.15,2.1 2.246,2.081 2.327,2.027 2.381,1.946 2.4,1.85 2.4,1.85 2.4,1.828 2.386,1.756 2.345,1.695 2.345,1.695 2.345,1.695 2.345,1.695 2.345,1.695 2.304,1.654 2.255,1.621 2.255,1.621 2.203,1.606 2.15,1.595 2.145,1.595 2.049,1.614 1.968,1.668 1.914,1.749 1.895,1.845 1.895,1.845 1.52,1.845 1.338,1.809 1.184,1.706 1.081,1.552 1.045,1.37 1.045,1.37 1.024,1.265 0.964,1.176 0.875,1.116 0.77,1.095 0.77,1.095 0,1.095 0,1.245 0.77,1.245 0.818,1.254 0.858,1.282 0.886,1.322 0.895,1.37 0.895,1.37 0.935,1.609 1.064,1.814 1.064,1.814
  Top Copper region: -2.2,-0.8 -2.311,-0.966 -2.35,-1.162 -2.35,-1.162 -2.35,-1.583 -2.36,-1.636 -2.39,-1.68 -2.39,-1.68 -2.438,-1.752 -2.455,-1.837 -2.455,-1.837 -2.455,-1.855 -2.436,-1.951 -2.382,-2.032 -2.301,-2.086 -2.205,-2.105 -2.205,-2.105 -2.183,-2.105 -2.116,-2.092 -2.059,-2.054 -2.059,-2.054 -2.055,-2.051 -2.05,-2.05 -2.05,-2.05 -2.022,-2.031 -1.99,-2.025 -1.99,-2.025 -1.482,-2.025 -1.26,-1.981 -1.071,-1.855 -1.071,-1.855 -1.221,-1.708 -1.383,-1.817 -1.575,-1.855 -1.575,-1.855 -1.95,-1.855 -1.95,-1.85 -1.969,-1.754 -2.023,-1.673 -2.104,-1.619 -2.2,-1.6 -2.2,-1.6 -2.2,-1.225 -2.162,-1.033 -2.053,-0.871 -1.891,-0.762 -1.699,-0.724 -1.699,-0.724 -1.604,-0.705 -1.523,-0.651 -1.469,-0.57 -1.45,-0.475 -1.45,-0.475 -1.45,-0.3 -1.6,-0.3 -1.6,-0.475 -1.608,-0.513 -1.629,-0.546 -1.662,-0.567 -1.7,-0.575 -1.7,-0.575 -1.954,-0.626 -2.169,-0.769 -2.169,-0.769
  Top Copper region: -1.095,1.845 -1.261,1.956 -1.457,1.995 -1.457,1.995 -1.878,1.995 -1.931,2.005 -1.975,2.035 -1.975,2.035 -2.047,2.083 -2.132,2.1 -2.132,2.1 -2.15,2.1 -2.246,2.081 -2.327,2.027 -2.381,1.946 -2.4,1.85 -2.4,1.85 -2.4,1.828 -2.386,1.756 -2.345,1.695 -2.345,1.695 -2.345,1.695 -2.345,1.695 -2.345,1.695 -2.304,1.654 -2.255,1.621 -2.255,1.621 -2.203,1.606 -2.15,1.595 -2.145,1.595 -2.049,1.614 -1.968,1.668 -1.914,1.749 -1.895,1.845 -1.895,1.845 -1.52,1.845 -1.338,1.809 -1.184,1.706 -1.081,1.552 -1.045,1.37 -1.045,1.37 -1.024,1.265 -0.964,1.176 -0.875,1.116 -0.77,1.095 -0.77,1.095 0,1.095 0,1.245 -0.77,1.245 -0.818,1.254 -0.858,1.282 -0.886,1.322 -0.895,1.37 -0.895,1.37 -0.935,1.609 -1.064,1.814 -1.064,1.814
  Top Copper region: 2.2,-0.8 2.311,-0.966 2.35,-1.162 2.35,-1.162 2.35,-1.583 2.36,-1.636 2.39,-1.68 2.39,-1.68 2.438,-1.752 2.455,-1.837 2.455,-1.837 2.455,-1.855 2.436,-1.951 2.382,-2.032 2.301,-2.086 2.205,-2.105 2.205,-2.105 2.183,-2.105 2.116,-2.092 2.059,-2.054 2.059,-2.054 2.055,-2.051 2.05,-2.05 2.05,-2.05 2.022,-2.031 1.99,-2.025 1.99,-2.025 1.482,-2.025 1.26,-1.981 1.071,-1.855 1.071,-1.855 1.221,-1.708 1.383,-1.817 1.575,-1.855 1.575,-1.855 1.95,-1.855 1.95,-1.85 1.969,-1.754 2.023,-1.673 2.104,-1.619 2.2,-1.6 2.2,-1.6 2.2,-1.225 2.162,-1.033 2.053,-0.871 1.891,-0.762 1.699,-0.724 1.699,-0.724 1.604,-0.705 1.523,-0.651 1.469,-0.57 1.45,-0.475 1.45,-0.475 1.45,-0.3 1.6,-0.3 1.6,-0.475 1.608,-0.513 1.629,-0.546 1.662,-0.567 1.7,-0.575 1.7,-0.575 1.954,-0.626 2.169,-0.769 2.169,-0.769
  Top Copper pour cut-out: -2.43,2.065 2.433,2.065 2.433,-2.049 -2.43,-2.049
  Top Copper keep-out region: 1.15,-0.8 1.15,0.8 -1.15,0.8 -1.15,-0.8
  body extent -1,-0.65 1,0.65